# Altium PCB PCB1.PcbDoc (part 1 of 2) (continued)
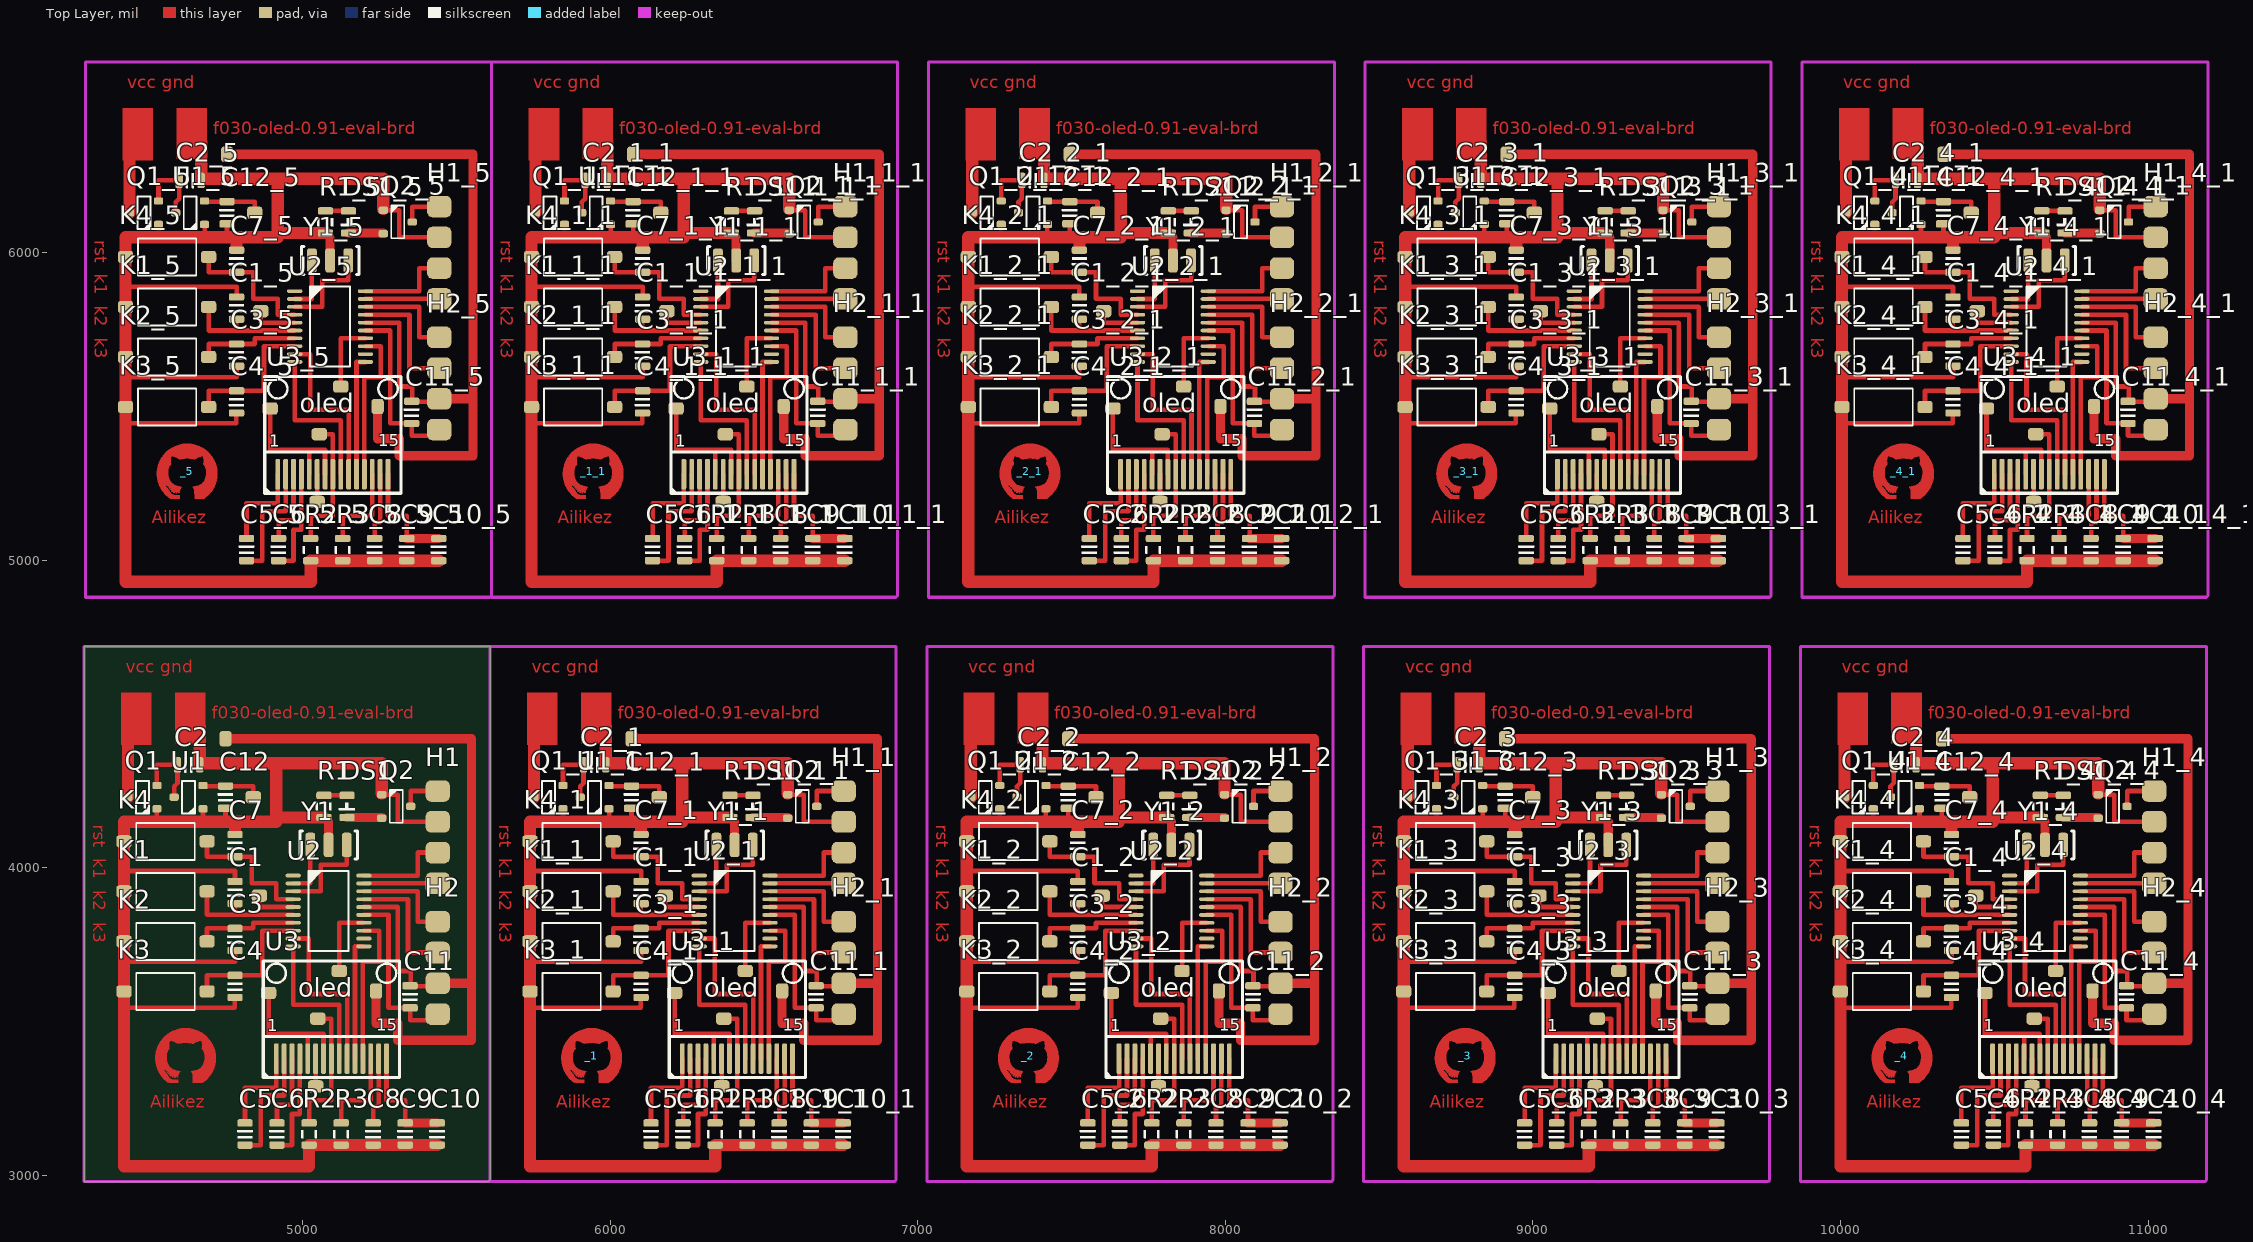
[diagram p0: Top Layer view]
## Components (designator, comment, footprint, x,y, rotation, side; value= is the part's Value field where it differs from the comment) (continued)
K2_4_1 "HDR2x10_2.54" ButtonTACT_3x6x2.5_180 10140,5661.14 r180 top value=3x6 (schematic designator K2)
K2_5 "HDR2x10_2.54" ButtonTACT_3x6x2.5_180 4560,5661.14 r180 top value=3x6 (schematic designator K2)
K3 "HDR2x10_2.54" ButtonTACT_3x6x2.5_180 4555,3598.57 r180 top value=3x6
K3_1 "HDR2x10_2.54" ButtonTACT_3x6x2.5_180 5875,3598.57 r180 top value=3x6 (schematic designator K3)
K3_1_1 "HDR2x10_2.54" ButtonTACT_3x6x2.5_180 5880,5498.57 r180 top value=3x6 (schematic designator K3)
K3_2 "HDR2x10_2.54" ButtonTACT_3x6x2.5_180 7295,3598.57 r180 top value=3x6 (schematic designator K3)
K3_2_1 "HDR2x10_2.54" ButtonTACT_3x6x2.5_180 7300,5498.57 r180 top value=3x6 (schematic designator K3)
K3_3 "HDR2x10_2.54" ButtonTACT_3x6x2.5_180 8715,3598.57 r180 top value=3x6 (schematic designator K3)
K3_3_1 "HDR2x10_2.54" ButtonTACT_3x6x2.5_180 8720,5498.57 r180 top value=3x6 (schematic designator K3)
K3_4 "HDR2x10_2.54" ButtonTACT_3x6x2.5_180 10135,3598.57 r180 top value=3x6 (schematic designator K3)
K3_4_1 "HDR2x10_2.54" ButtonTACT_3x6x2.5_180 10140,5498.57 r180 top value=3x6 (schematic designator K3)
K3_5 "HDR2x10_2.54" ButtonTACT_3x6x2.5_180 4560,5498.57 r180 top value=3x6 (schematic designator K3)
K4 "HDR2x10_2.54" ButtonTACT_3x6x2.5_180 4555,4086.29 r180 top value=3x6
K4_1 "HDR2x10_2.54" ButtonTACT_3x6x2.5_180 5875,4086.29 r180 top value=3x6 (schematic designator K4)
K4_1_1 "HDR2x10_2.54" ButtonTACT_3x6x2.5_180 5880,5986.29 r180 top value=3x6 (schematic designator K4)
K4_2 "HDR2x10_2.54" ButtonTACT_3x6x2.5_180 7295,4086.29 r180 top value=3x6 (schematic designator K4)
K4_2_1 "HDR2x10_2.54" ButtonTACT_3x6x2.5_180 7300,5986.29 r180 top value=3x6 (schematic designator K4)
K4_3 "HDR2x10_2.54" ButtonTACT_3x6x2.5_180 8715,4086.29 r180 top value=3x6 (schematic designator K4)
K4_3_1 "HDR2x10_2.54" ButtonTACT_3x6x2.5_180 8720,5986.29 r180 top value=3x6 (schematic designator K4)
K4_4 "HDR2x10_2.54" ButtonTACT_3x6x2.5_180 10135,4086.29 r180 top value=3x6 (schematic designator K4)
K4_4_1 "HDR2x10_2.54" ButtonTACT_3x6x2.5_180 10140,5986.29 r180 top value=3x6 (schematic designator K4)
K4_5 "HDR2x10_2.54" ButtonTACT_3x6x2.5_180 4560,5986.29 r180 top value=3x6 (schematic designator K4)
Q1 "HDR2x10_2.54" SOT23-3 4480,4230 r180 top value=PMOS
Q1_1 "HDR2x10_2.54" SOT23-3 5800,4230 r180 top value=PMOS (schematic designator Q1)
Q1_1_1 "HDR2x10_2.54" SOT23-3 5805,6130 r180 top value=PMOS (schematic designator Q1)
Q1_2 "HDR2x10_2.54" SOT23-3 7220,4230 r180 top value=PMOS (schematic designator Q1)
Q1_2_1 "HDR2x10_2.54" SOT23-3 7225,6130 r180 top value=PMOS (schematic designator Q1)
Q1_3 "HDR2x10_2.54" SOT23-3 8640,4230 r180 top value=PMOS (schematic designator Q1)
Q1_3_1 "HDR2x10_2.54" SOT23-3 8645,6130 r180 top value=PMOS (schematic designator Q1)
Q1_4 "HDR2x10_2.54" SOT23-3 10060,4230 r180 top value=PMOS (schematic designator Q1)
Q1_4_1 "HDR2x10_2.54" SOT23-3 10065,6130 r180 top value=PMOS (schematic designator Q1)
Q1_5 "HDR2x10_2.54" SOT23-3 4485,6130 r180 top value=PMOS (schematic designator Q1)
Q2 "HDR2x10_2.54" SOT23-3 5305,4200 r0 top value=PMOS
Q2_1 "HDR2x10_2.54" SOT23-3 6625,4200 r0 top value=PMOS (schematic designator Q2)
Q2_1_1 "HDR2x10_2.54" SOT23-3 6630,6100 r0 top value=PMOS (schematic designator Q2)
Q2_2 "HDR2x10_2.54" SOT23-3 8045,4200 r0 top value=PMOS (schematic designator Q2)
Q2_2_1 "HDR2x10_2.54" SOT23-3 8050,6100 r0 top value=PMOS (schematic designator Q2)
Q2_3 "HDR2x10_2.54" SOT23-3 9465,4200 r0 top value=PMOS (schematic designator Q2)
Q2_3_1 "HDR2x10_2.54" SOT23-3 9470,6100 r0 top value=PMOS (schematic designator Q2)
Q2_4 "HDR2x10_2.54" SOT23-3 10885,4200 r0 top value=PMOS (schematic designator Q2)
Q2_4_1 "HDR2x10_2.54" SOT23-3 10890,6100 r0 top value=PMOS (schematic designator Q2)
Q2_5 "HDR2x10_2.54" SOT23-3 5310,6100 r0 top value=PMOS (schematic designator Q2)
R1 "HDR2x10_2.54" RES_0805 5070,4200 r90 top value=2K
R1_1 "HDR2x10_2.54" RES_0805 6390,4200 r90 top value=2K (schematic designator R1)
R1_1_1 "HDR2x10_2.54" RES_0805 6395,6100 r90 top value=2K (schematic designator R1)
R1_2 "HDR2x10_2.54" RES_0805 7810,4200 r90 top value=2K (schematic designator R1)
R1_2_1 "HDR2x10_2.54" RES_0805 7815,6100 r90 top value=2K (schematic designator R1)
R1_3 "HDR2x10_2.54" RES_0805 9230,4200 r90 top value=2K (schematic designator R1)
R1_3_1 "HDR2x10_2.54" RES_0805 9235,6100 r90 top value=2K (schematic designator R1)
R1_4 "HDR2x10_2.54" RES_0805 10650,4200 r90 top value=2K (schematic designator R1)
R1_4_1 "HDR2x10_2.54" RES_0805 10655,6100 r90 top value=2K (schematic designator R1)
R1_5 "HDR2x10_2.54" RES_0805 5075,6100 r90 top value=2K (schematic designator R1)
R2 "HDR2x10_2.54" RES_0805 5021.67,3135 r270 top value=0R
R2_1 "HDR2x10_2.54" RES_0805 6341.67,3135 r270 top value=0R (schematic designator R2)
R2_1_1 "HDR2x10_2.54" RES_0805 6346.67,5035 r270 top value=0R (schematic designator R2)
R2_2 "HDR2x10_2.54" RES_0805 7761.67,3135 r270 top value=0R (schematic designator R2)
R2_2_1 "HDR2x10_2.54" RES_0805 7766.67,5035 r270 top value=0R (schematic designator R2)
R2_3 "HDR2x10_2.54" RES_0805 9181.67,3135 r270 top value=0R (schematic designator R2)
R2_3_1 "HDR2x10_2.54" RES_0805 9186.67,5035 r270 top value=0R (schematic designator R2)
R2_4 "HDR2x10_2.54" RES_0805 10601.67,3135 r270 top value=0R (schematic designator R2)
R2_4_1 "HDR2x10_2.54" RES_0805 10606.67,5035 r270 top value=0R (schematic designator R2)
R2_5 "HDR2x10_2.54" RES_0805 5026.67,5035 r270 top value=0R (schematic designator R2)
R3 "HDR2x10_2.54" RES_0805 5125.83,3135 r270 top value=2M
R3_1 "HDR2x10_2.54" RES_0805 6445.83,3135 r270 top value=2M (schematic designator R3)
R3_1_1 "HDR2x10_2.54" RES_0805 6450.83,5035 r270 top value=2M (schematic designator R3)
R3_2 "HDR2x10_2.54" RES_0805 7865.83,3135 r270 top value=2M (schematic designator R3)
R3_2_1 "HDR2x10_2.54" RES_0805 7870.83,5035 r270 top value=2M (schematic designator R3)
R3_3 "HDR2x10_2.54" RES_0805 9285.83,3135 r270 top value=2M (schematic designator R3)
R3_3_1 "HDR2x10_2.54" RES_0805 9290.83,5035 r270 top value=2M (schematic designator R3)
R3_4 "HDR2x10_2.54" RES_0805 10705.83,3135 r270 top value=2M (schematic designator R3)
R3_4_1 "HDR2x10_2.54" RES_0805 10710.83,5035 r270 top value=2M (schematic designator R3)
R3_5 "HDR2x10_2.54" RES_0805 5130.83,5035 r270 top value=2M (schematic designator R3)
U1 "HDR2x10_2.54" SOT23-3 4630,4230 r180 top
U1_1 "HDR2x10_2.54" SOT23-3 5950,4230 r180 top (schematic designator U1)
U1_1_1 "HDR2x10_2.54" SOT23-3 5955,6130 r180 top (schematic designator U1)
U1_2 "HDR2x10_2.54" SOT23-3 7370,4230 r180 top (schematic designator U1)
U1_2_1 "HDR2x10_2.54" SOT23-3 7375,6130 r180 top (schematic designator U1)
U1_3 "HDR2x10_2.54" SOT23-3 8790,4230 r180 top (schematic designator U1)
U1_3_1 "HDR2x10_2.54" SOT23-3 8795,6130 r180 top (schematic designator U1)
U1_4 "HDR2x10_2.54" SOT23-3 10210,4230 r180 top (schematic designator U1)
U1_4_1 "HDR2x10_2.54" SOT23-3 10215,6130 r180 top (schematic designator U1)
U1_5 "HDR2x10_2.54" SOT23-3 4635,6130 r180 top (schematic designator U1)
U2 "HDR2x10_2.54" TSSOP_E170_P0.65_20 5085,3860 r0 top
U2_1 "HDR2x10_2.54" TSSOP_E170_P0.65_20 6405,3860 r0 top (schematic designator U2)
U2_1_1 "HDR2x10_2.54" TSSOP_E170_P0.65_20 6410,5760 r0 top (schematic designator U2)
U2_2 "HDR2x10_2.54" TSSOP_E170_P0.65_20 7825,3860 r0 top (schematic designator U2)
U2_2_1 "HDR2x10_2.54" TSSOP_E170_P0.65_20 7830,5760 r0 top (schematic designator U2)
U2_3 "HDR2x10_2.54" TSSOP_E170_P0.65_20 9245,3860 r0 top (schematic designator U2)
U2_3_1 "HDR2x10_2.54" TSSOP_E170_P0.65_20 9250,5760 r0 top (schematic designator U2)
U2_4 "HDR2x10_2.54" TSSOP_E170_P0.65_20 10665,3860 r0 top (schematic designator U2)
U2_4_1 "HDR2x10_2.54" TSSOP_E170_P0.65_20 10670,5760 r0 top (schematic designator U2)
U2_5 "HDR2x10_2.54" TSSOP_E170_P0.65_20 5090,5760 r0 top (schematic designator U2)
U3 "HDR2x10_2.54" OLED_0.91_128X64_SSD1306 4915,3380 r0 top
U3_1 "HDR2x10_2.54" OLED_0.91_128X64_SSD1306 6235,3380 r0 top (schematic designator U3)
U3_1_1 "HDR2x10_2.54" OLED_0.91_128X64_SSD1306 6240,5280 r0 top (schematic designator U3)
U3_2 "HDR2x10_2.54" OLED_0.91_128X64_SSD1306 7655,3380 r0 top (schematic designator U3)
U3_2_1 "HDR2x10_2.54" OLED_0.91_128X64_SSD1306 7660,5280 r0 top (schematic designator U3)
U3_3 "HDR2x10_2.54" OLED_0.91_128X64_SSD1306 9075,3380 r0 top (schematic designator U3)
U3_3_1 "HDR2x10_2.54" OLED_0.91_128X64_SSD1306 9080,5280 r0 top (schematic designator U3)
U3_4 "HDR2x10_2.54" OLED_0.91_128X64_SSD1306 10495,3380 r0 top (schematic designator U3)
U3_4_1 "HDR2x10_2.54" OLED_0.91_128X64_SSD1306 10500,5280 r0 top (schematic designator U3)
U3_5 "HDR2x10_2.54" OLED_0.91_128X64_SSD1306 4920,5280 r0 top (schematic designator U3)
Y1 "HDR2x10_2.54" XTAL_3P_CSTCE_8M_3.2*1.3 5025.94,4075 r90 top
Y1_1 "HDR2x10_2.54" XTAL_3P_CSTCE_8M_3.2*1.3 6345.94,4075 r90 top (schematic designator Y1)
Y1_1_1 "HDR2x10_2.54" XTAL_3P_CSTCE_8M_3.2*1.3 6350.94,5975 r90 top (schematic designator Y1)
Y1_2 "HDR2x10_2.54" XTAL_3P_CSTCE_8M_3.2*1.3 7765.94,4075 r90 top (schematic designator Y1)
Y1_2_1 "HDR2x10_2.54" XTAL_3P_CSTCE_8M_3.2*1.3 7770.94,5975 r90 top (schematic designator Y1)
Y1_3 "HDR2x10_2.54" XTAL_3P_CSTCE_8M_3.2*1.3 9185.94,4075 r90 top (schematic designator Y1)
Y1_3_1 "HDR2x10_2.54" XTAL_3P_CSTCE_8M_3.2*1.3 9190.94,5975 r90 top (schematic designator Y1)
Y1_4 "HDR2x10_2.54" XTAL_3P_CSTCE_8M_3.2*1.3 10605.94,4075 r90 top (schematic designator Y1)
Y1_4_1 "HDR2x10_2.54" XTAL_3P_CSTCE_8M_3.2*1.3 10610.94,5975 r90 top (schematic designator Y1)
Y1_5 "HDR2x10_2.54" XTAL_3P_CSTCE_8M_3.2*1.3 5030.94,5975 r90 top (schematic designator Y1)
? "" IMAGE 4620,3390 r0 top

## Footprints (in the part's own frame and the unit in brackets; to place one, negate y for a bottom-side part, rotate by r counter-clockwise, add the part's x,y. Pads: shape width x height; smd on the part's side, far side on the other; paste and mask are expansions set on the pad)
ButtonTACT_3x6x2.5_180 [mil]
  rrect50% 50x40 smd: 1(-135,0) 2(135,0)
  silkscreen extent -95,-60 95,60, body extent -157,-71 157,71, height 94
CAP_0805 [mil]
  rrect50% 24x50 smd: 1(-36,0) 2(36,0)
  silkscreen extent -12,-24 12,24, body extent -39,-25 39,25, height 39
HDR1x4_2.54_180 [mil]
  rrect50% 78.74x70 smd: 1(0,0) 2(0,-100) 3(0,-200) 4(0,-300)
  body extent -49,-350 49,50, height 323
IMAGE [mil]
  Top Layer region: -79.63,48.56 -79.62,48.57 -78.82,49.59 -75.62,53.69 -75.55,53.78 -74.07,55.51 -72.81,56.98 -72.26,57.6 -71.71,58.23 -70.71,59.32 -69.75,60.31 -68.78,61.26 -68.74,61.3 -67.74,62.22 -66.57,63.26 -65.22,64.42 -64.85,64.74 -63.63,65.77 -61.01,67.87 -59.36,69.19 -57.16,70.77 -54.93,72.36 -53.14,73.5 -50.34,75.27 -48.97,76.05 -45.62,77.92 -44.65,78.4 -40.77,80.31 -40.19,80.56 -35.79,82.43 -35.62,82.49 -30.91,84.2 -30.7,84.28 -26.1,85.67 -25.51,85.85 -21.27,86.88 -20.22,87.14 -16.53,87.83 -14.84,88.15 -14.22,88.23 -12.22,88.49 -11.58,88.55 -9.26,88.75 -8.59,88.78 -6.04,88.92 -5.28,88.94 -2.65,89.01 0.84,89.02 0.84,89.02 1.14,89.01 4.35,88.94 4.79,88.92 7.79,88.78 8.29,88.75 11.09,88.55 11.63,88.49 14.15,88.23 14.72,88.15 16.92,87.83 20.42,87.14 21.73,86.88 25.84,85.85 26.55,85.67 31.1,84.28 31.36,84.2 36.11,82.49 36.26,82.43 40.78,80.56 41.3,80.31 45.35,78.4 46.25,77.92 49.79,76.05 51.08,75.27 54.06,73.5 55.76,72.36 58.15,70.77 60.25,69.19 62.02,67.87 64.51,65.77 65.73,64.74 66.07,64.42 67.3,63.26 68.39,62.22 69.37,61.3 69.4,61.26 70.3,60.31 71.25,59.32 72.29,58.23 72.88,57.6 73.42,56.98 74.68,55.51 76.18,53.78 76.26,53.69 79.46,49.59 80.18,48.57 80.19,48.56
  Top Layer region: -48.3,48.3 -50.57,48.56 80.19,48.56 80.37,48.3
  Top Layer region: -29.56,41.33 -29.69,41.4 -31.32,42.32 -32.54,42.96 -33.32,43.37 -35.27,44.33 -35.38,44.38 -37.16,45.19 -38.23,45.64 -38.98,45.95 -40.72,46.6 -40.99,46.69 -42.39,47.15 -43.68,47.51 -43.97,47.59 -45.45,47.92 -46.37,48.06 -46.84,48.13 -48.3,48.3 49.13,48.3 47.72,48.13 47.12,48.06 46.5,47.92 45.05,47.59 44.7,47.51 43.51,47.15 41.99,46.69 41.74,46.6 39.94,45.95 39.08,45.64 38.02,45.19 36.09,44.38 35.99,44.33 33.98,43.37 33.12,42.96 31.94,42.32 30.27,41.4 30.15,41.33
  Top Layer region: 24.51,38.54 23.77,38.55 23.06,38.62 22.95,38.63 22.09,38.78 22,38.79 20.97,39.02 20.92,39.03 19.66,39.34 19.66,39.34 19.01,39.49 18.19,39.66 17.63,39.75 17.22,39.83 16.12,40 14.92,40.18 13.64,40.36 12.31,40.53 10.94,40.69 9.58,40.83 8.23,40.97 5.57,41.17 2.9,41.29 0.2,41.33 30.15,41.33 30.09,41.29 29.9,41.17 29.58,40.97 29.37,40.83 29.13,40.69 28.88,40.53 28.61,40.36 28.33,40.18 28.05,40 27.77,39.83 27.65,39.75 27.5,39.66 27.24,39.49 27.01,39.34 27.01,39.34 26.42,39.03 26.4,39.02 25.83,38.79 25.8,38.78 25.22,38.63 25.17,38.62 24.54,38.55 24.51,38.54
  Top Layer region: -24.25,38.27 -26.02,39.29 -26.95,39.83 -27.74,40.28 -28.39,40.66 -28.89,40.95 -29.25,41.16 -29.27,41.17 -29.48,41.28 -29.56,41.33 0.2,41.33 -2.52,41.28 -5.03,41.17 -5.26,41.16 -8.02,40.95 -10.8,40.66 -13.59,40.28 -16.4,39.83 -19.23,39.29 -24.25,38.27
  Top Layer region: -90.27,-46.67 -90.49,-46.11 -91.43,-43.76 -92.25,-41.68 -92.48,-41.01 -93.29,-38.57 -93.5,-37.87 -94.25,-35.3 -94.51,-34.33 -95.13,-31.91 -95.48,-30.37 -95.92,-28.44 -96.4,-25.98 -96.61,-24.93 -97.18,-21.44 -97.22,-21.16 -97.65,-18 -97.86,-15.89 -97.99,-14.66 -98.2,-11.46 -98.22,-10.18 -98.26,-8.44 -98.18,-6.35 -98.04,-2.75 -98,-1.78 -97.73,0.63 -97.37,3.82 -97.25,4.92 -96.9,6.82 -96.38,9.65 -96.02,11.59 -95.83,12.34 -95.18,14.88 -94.56,17.3 -94.33,18.2 -93.87,19.62 -93.63,20.35 -93.43,20.96 -93.26,21.48 -93.1,21.95 -92.96,22.4 -92.8,22.86 -92.63,23.38 -92.44,23.98 -92.2,24.69 -92.2,24.7 -91.85,25.56 -91.63,26.11 -91.4,26.69 -91.15,27.3 -90.9,27.92 -90.65,28.53 -90.41,29.14 -90.18,29.71 -89.96,30.25 -89.76,30.74 -89.65,31.03 -89.58,31.17 -89.09,32.18 -88.48,33.44 -87.77,34.91 -87,36.51 -86.69,37.15 -86.09,38.2 -85.11,39.91 -84.15,41.59 -83.34,43.02 -83.23,43.18 -82.27,44.62 -81.44,45.86 -79.63,48.56 -50.57,48.56 -51.57,45.86 -51.98,44.62 -52.36,43.18 -52.39,43.02 -52.7,41.59 -53.01,39.91 -53.27,38.2 -53.4,37.15 -53.48,36.51 -53.62,34.91 -53.69,33.44 -53.68,32.18 -53.58,31.17 -53.56,31.03 -53.51,30.74 -53.42,30.25 -53.32,29.71 -53.22,29.14 -53.11,28.53 -52.99,27.92 -52.87,27.3 -52.75,26.69 -52.63,26.11 -52.52,25.56 -52.35,24.7 -52.34,24.69 -52.22,23.98 -52.15,23.38 -52.15,22.86 -52.23,22.4 -52.39,21.95 -52.64,21.48 -53,20.96 -53.47,20.35 -54.05,19.62 -55.11,18.2 -55.78,17.3 -57.27,14.88 -58.53,12.34 -58.82,11.59 -59.58,9.65 -60.4,6.82 -60.78,4.92 -61.01,3.82 -61.4,0.63 -61.54,-1.78 -61.59,-2.75 -61.57,-6.35 -61.45,-8.44 -61.35,-10.18 -61.2,-11.46 -60.8,-14.66 -60.64,-15.89 -60.17,-18 -59.47,-21.16 -59.37,-21.44 -58.17,-24.93 -57.81,-25.98 -56.62,-28.44 -55.68,-30.37 -54.66,-31.91 -53.06,-34.33 -52.2,-35.3 -49.94,-37.87 -49.13,-38.57 -46.31,-41.01 -45.31,-41.68 -42.18,-43.76 -37.53,-46.11 -36.05,-46.67
  Top Layer region: -61.71,-51.19 -61.78,-51.18 -62.1,-51.12 -62.19,-51.08 -62.46,-50.97 -62.56,-50.9 -62.78,-50.74 -62.87,-50.63 -63.03,-50.44 -63.09,-50.27 -63.15,-50.12 -63.17,-50.06 -63.18,-49.97 -63.2,-49.82 -63.2,-49.82 -63.21,-49.68 -63.21,-49.61 -63.2,-49.55 -63.19,-49.44 -63.18,-49.43 -63.14,-49.33 -63.13,-49.31 -63.07,-49.24 -63.03,-49.2 -62.98,-49.17 -62.9,-49.13 -62.88,-49.13 -62.72,-49.09 -62.71,-49.09 -62.51,-49.08 -62.51,-49.08 -62.24,-49.09 -62.23,-49.09 -61.92,-49.13 -61.9,-49.13 -61.69,-49.17 -61.59,-49.2 -61.46,-49.24 -61.31,-49.31 -61.25,-49.33 -61.06,-49.43 -61.05,-49.44 -60.89,-49.55 -60.82,-49.61 -60.75,-49.68 -60.63,-49.82 -60.63,-49.82 -60.54,-49.97 -60.5,-50.06 -60.48,-50.12 -60.46,-50.27 -60.49,-50.44 -60.53,-50.63 -60.61,-50.74 -60.72,-50.9 -60.82,-50.97 -61,-51.08 -61.13,-51.12 -61.34,-51.18 -61.71,-51.19
  Top Layer region: -57.24,-55.9 -57.62,-55.85 -57.62,-55.85 -57.98,-55.71 -57.98,-55.71 -58.32,-55.5 -58.33,-55.5 -58.63,-55.23 -58.64,-55.22 -58.9,-54.91 -58.91,-54.9 -59.12,-54.56 -59.13,-54.55 -59.28,-54.19 -59.29,-54.17 -59.37,-53.81 -59.37,-53.79 -59.38,-53.44 -59.38,-53.42 -59.3,-53.09 -59.29,-53.08 -59.14,-52.77 -59.12,-52.75 -58.92,-52.51 -58.9,-52.5 -58.66,-52.33 -58.64,-52.32 -58.37,-52.22 -58.34,-52.22 -58.05,-52.18 -58.05,-52.18 -57.72,-52.22 -57.71,-52.22 -57.38,-52.32 -57.37,-52.33 -57.05,-52.5 -57.03,-52.51 -56.72,-52.75 -56.7,-52.77 -56.41,-53.08 -56.4,-53.09 -56.17,-53.42 -56.17,-53.44 -56.02,-53.79 -56.02,-53.81 -55.95,-54.17 -55.95,-54.19 -55.95,-54.55 -55.95,-54.56 -56.01,-54.9 -56.02,-54.91 -56.15,-55.22 -56.15,-55.23 -56.34,-55.5 -56.35,-55.5 -56.59,-55.71 -56.6,-55.71 -56.89,-55.85 -56.9,-55.85 -57.24,-55.9
  Top Layer region: -53.42,-61.32 -53.46,-61.32 -53.76,-61.27 -53.81,-61.25 -54.13,-61.15 -54.17,-61.13 -54.46,-60.98 -54.48,-60.96 -54.75,-60.73 -54.75,-60.73 -54.99,-60.45 -55.02,-60.41 -55.21,-60.11 -55.25,-60.05 -55.4,-59.73 -55.43,-59.65 -55.57,-59.24 -55.59,-59.15 -55.64,-58.84 -55.65,-58.61 -55.66,-58.44 -55.61,-58.14 -55.6,-58.09 -55.47,-57.78 -55.44,-57.74 -55.17,-57.44 -55.15,-57.41 -54.81,-57.24 -54.76,-57.21 -54.32,-57.16 -54.32,-57.16 -54.01,-57.21 -53.86,-57.24 -53.46,-57.41 -53.4,-57.44 -52.97,-57.74 -52.94,-57.78 -52.65,-58.09 -52.6,-58.14 -52.4,-58.44 -52.3,-58.61 -52.21,-58.84 -52.1,-59.15 -52.09,-59.24 -52.04,-59.65 -52.03,-59.73 -52.05,-60.05 -52.05,-60.11 -52.12,-60.41 -52.12,-60.45 -52.24,-60.73 -52.24,-60.73 -52.4,-60.96 -52.43,-60.98 -52.6,-61.13 -52.64,-61.15 -52.84,-61.25 -52.91,-61.27 -53.12,-61.32 -53.42,-61.32
  Top Layer region: 171 vertices and 0 holes, not listed, extent -67.39,-66.79 -17.66,-46.67
  Top Layer region: -48.34,-66.82 -48.95,-66.73 -48.96,-66.73 -49.56,-66.48 -49.66,-66.4 -49.98,-66.2 -50.13,-66.09 -50.22,-66 -50.41,-65.82 -50.6,-65.64 -50.62,-65.61 -50.74,-65.45 -50.88,-65.25 -51,-65.07 -51.02,-65.02 -51.11,-64.77 -51.22,-64.49 -51.23,-64.48 -51.24,-64.16 -51.26,-63.9 -51.21,-63.76 -51.09,-63.43 -51.05,-63.34 -50.9,-63.16 -50.82,-63.07 -50.64,-62.96 -50.52,-62.89 -50.31,-62.83 -50.16,-62.79 -49.77,-62.77 -49.77,-62.77 -49.63,-62.79 -49.34,-62.83 -49.15,-62.89 -48.91,-62.96 -48.68,-63.07 -48.48,-63.16 -48.22,-63.34 -48.08,-63.43 -47.7,-63.76 -47.59,-63.9 -47.38,-64.16 -47.16,-64.48 -47.15,-64.49 -46.98,-64.77 -46.85,-65.02 -46.84,-65.07 -46.77,-65.25 -46.74,-65.45 -46.75,-65.61 -46.75,-65.64 -46.81,-65.82 -46.92,-66 -46.99,-66.09 -47.07,-66.2 -47.27,-66.4 -47.38,-66.48 -47.76,-66.73 -47.79,-66.73 -48.34,-66.82
  Top Layer region: -41.69,-70.78 -41.77,-70.77 -41.96,-70.75 -42.07,-70.72 -42.25,-70.67 -42.39,-70.62 -42.57,-70.55 -42.76,-70.47 -42.94,-70.39 -43.17,-70.27 -43.41,-70.15 -43.59,-70.03 -43.8,-69.88 -43.95,-69.74 -44.1,-69.6 -44.17,-69.5 -44.32,-69.3 -44.32,-69.29 -44.4,-69.1 -44.45,-68.98 -44.46,-68.92 -44.48,-68.74 -44.49,-68.66 -44.47,-68.54 -44.45,-68.32 -44.44,-68.31 -44.34,-68.04 -44.31,-67.98 -44.16,-67.73 -44.09,-67.62 -43.84,-67.35 -43.78,-67.27 -43.54,-67.04 -43.49,-67 -43.26,-66.82 -43.24,-66.8 -43.01,-66.67 -42.99,-66.66 -42.76,-66.59 -42.75,-66.59 -42.75,-66.59 -42.5,-66.59 -42.27,-66.66 -42.23,-66.67 -41.97,-66.8 -41.93,-66.82 -41.64,-67 -41.58,-67.04 -41.27,-67.27 -41.17,-67.35 -40.82,-67.62 -40.69,-67.73 -40.39,-67.98 -40.31,-68.04 -40.02,-68.31 -40,-68.32 -39.8,-68.54 -39.71,-68.66 -39.65,-68.74 -39.59,-68.92 -39.59,-68.98 -39.59,-69.1 -39.66,-69.29 -39.67,-69.3 -39.81,-69.5 -39.89,-69.6 -40.01,-69.74 -40.15,-69.88 -40.29,-70.03 -40.41,-70.15 -40.54,-70.27 -40.69,-70.39 -40.78,-70.47 -40.9,-70.55 -41,-70.62 -41.12,-70.67 -41.23,-70.72 -41.35,-70.75 -41.45,-70.77 -41.69,-70.78
  Top Layer region: -26.36,-70.79 -26.97,-70.77 -27.23,-70.71 -27.48,-70.66 -27.71,-70.55 -27.92,-70.45 -28.1,-70.31 -28.28,-70.18 -28.42,-70.02 -28.57,-69.85 -28.66,-69.68 -28.77,-69.48 -28.81,-69.3 -28.87,-69.09 -28.87,-68.9 -28.87,-68.7 -28.8,-68.49 -28.76,-68.33 -28.59,-68.08 -28.53,-67.99 -28.3,-67.8 -28.18,-67.7 -27.94,-67.56 -27.79,-67.48 -27.55,-67.39 -27.39,-67.33 -27.14,-67.26 -26.99,-67.22 -26.71,-67.19 -26.59,-67.18 -26.59,-67.18 -26.2,-67.19 -26.03,-67.22 -25.82,-67.26 -25.64,-67.33 -25.46,-67.39 -25.27,-67.48 -25.12,-67.56 -24.94,-67.7 -24.81,-67.8 -24.62,-67.99 -24.53,-68.08 -24.37,-68.33 -24.27,-68.49 -24.21,-68.7 -24.16,-68.9 -24.16,-69.09 -24.17,-69.3 -24.24,-69.48 -24.31,-69.68 -24.43,-69.85 -24.55,-70.02 -24.73,-70.18 -24.89,-70.31 -25.14,-70.45 -25.31,-70.55 -25.63,-70.66 -25.81,-70.71 -26.22,-70.77 -26.36,-70.79
  Top Layer region: -34.52,-71.89 -34.98,-71.87 -35.23,-71.81 -35.42,-71.76 -35.58,-71.68 -35.61,-71.66 -35.73,-71.57 -35.86,-71.43 -35.87,-71.42 -36,-71.25 -36.06,-71.15 -36.11,-71.06 -36.21,-70.84 -36.22,-70.82 -36.29,-70.62 -36.34,-70.45 -36.35,-70.38 -36.39,-70.14 -36.4,-70.05 -36.4,-69.89 -36.4,-69.62 -36.39,-69.53 -36.37,-69.35 -36.36,-69.24 -36.32,-69.12 -36.29,-69 -36.25,-68.92 -36.18,-68.81 -36.13,-68.76 -36.02,-68.66 -35.98,-68.64 -35.8,-68.55 -35.78,-68.54 -35.52,-68.47 -35.52,-68.47 -35.18,-68.43 -35.17,-68.43 -34.75,-68.4 -34.74,-68.4 -34.22,-68.39 -34.22,-68.39 -33.78,-68.4 -33.73,-68.4 -33.34,-68.43 -33.31,-68.43 -32.97,-68.47 -32.97,-68.47 -32.69,-68.54 -32.67,-68.55 -32.46,-68.64 -32.44,-68.66 -32.29,-68.76 -32.26,-68.81 -32.17,-68.92 -32.14,-69 -32.09,-69.12 -32.06,-69.24 -32.04,-69.35 -32.03,-69.53 -32.03,-69.62 -32.06,-69.89 -32.09,-70.05 -32.12,-70.14 -32.22,-70.38 -32.25,-70.45 -32.36,-70.62 -32.49,-70.82 -32.52,-70.84 -32.72,-71.06 -32.81,-71.15 -32.95,-71.25 -33.18,-71.42 -33.19,-71.43 -33.44,-71.57 -33.62,-71.66 -33.69,-71.68 -33.92,-71.76 -34.06,-71.81 -34.44,-71.87 -34.52,-71.89
  Top Layer region: -68.64,-78.08 -68.64,-78.08 -68.66,-78.06 -68.7,-78.02 -68.77,-77.95 -68.88,-77.84 -69.03,-77.68 -69.24,-77.47 -69.51,-77.2 -69.85,-76.85 -70.27,-76.42 -70.99,-75.69 -71.24,-75.44 -71.73,-74.88 -72.52,-73.98 -73.4,-72.98 -74.37,-71.87 -75.03,-71.11 -75.4,-70.64 -76.47,-69.28 -77.65,-67.77 -78.63,-66.53 -78.92,-66.12 -80.19,-64.3 -81.29,-62.74 -81.99,-61.74 -82.29,-61.27 -83.16,-59.87 -84.01,-58.52 -84.83,-57.2 -85.08,-56.81 -85.58,-55.89 -86.3,-54.59 -87.03,-53.25 -87.79,-51.88 -87.84,-51.78 -88.48,-50.44 -88.74,-49.9 -88.95,-49.46 -89.12,-49.1 -89.26,-48.81 -89.37,-48.56 -89.48,-48.34 -89.58,-48.13 -89.68,-47.92 -89.79,-47.69 -89.91,-47.42 -90.13,-46.96 -90.25,-46.72 -90.25,-46.72 -90.27,-46.67 -67.39,-46.67 -68.6,-46.72 -68.6,-46.72 -69.63,-46.96 -70.46,-47.42 -70.79,-47.69 -71.04,-47.92 -71.19,-48.13 -71.26,-48.34 -71.22,-48.56 -71.07,-48.81 -70.8,-49.1 -70.41,-49.46 -69.89,-49.9 -69.24,-50.44 -67.64,-51.78 -67.52,-51.88 -65.97,-53.25 -64.57,-54.59 -63.3,-55.89 -62.5,-56.81 -62.16,-57.2 -61.11,-58.52 -60.16,-59.87 -59.27,-61.27 -59.01,-61.74 -58.45,-62.74 -57.66,-64.3 -56.75,-66.12 -56.52,-66.53 -55.82,-67.77 -54.86,-69.28 -53.85,-70.64 -53.45,-71.11 -52.81,-71.87 -51.7,-72.98 -50.52,-73.98 -49.27,-74.88 -48.35,-75.44 -47.93,-75.69 -46.5,-76.42 -45.56,-76.85 -44.72,-77.2 -43.91,-77.47 -43.05,-77.68 -42.09,-77.84 -40.96,-77.95 -39.6,-78.02 -37.93,-78.06 -35.9,-78.08 -33.43,-78.08
  Top Layer region: 221 vertices and 0 holes, not listed, extent 18.06,-89.02 98.26,48.3
  Top Layer region: -55.3,-89.02 -59.13,-86.27 -62.64,-83.55 -63.25,-83.07 -67.3,-79.44 -68.64,-78.08 -23.9,-78.08 -23.9,-79.44 -23.9,-83.07 -23.9,-83.55 -23.9,-86.27 -23.9,-89.02
LED_0805_RED [mil]
  rrect50% 24x50 smd: 1(-36,0) 2(36,0)
  silkscreen extent -12,-24 12,24, body extent -40,-25 40,25, height 43
OLED_0.91_128X64_SSD1306 [mm]
  rrect50% 0.4x2.5 smd: 1(0,0) 2(0.65,0) 2(0.65,0) 3(1.3,0) 4(1.95,0) 5(2.6,0) 6(3.25,0) 7(3.9,0) 8(4.55,0) 9(5.2,0) 10(5.85,0) 11(6.5,0) 12(7.15,0) 13(7.8,0) 14(8.45,0) 15(9.1,0)
  silkscreen extent -1.07,-1.65 10.18,8.05
RES_0805 [mil]
  rrect50% 24x50 smd: 1(-36,0) 2(36,0)
  silkscreen extent -12,-24 12,24, body extent -39,-25 39,25, height 24
SOT23-3 [mil]
  rrect50% 30x24 smd: 1(-47,38) 2(-47,-38) 3(47,0)
  silkscreen extent -21,-53 21,53, body extent -55,-57 55,57, height 51
TSSOP_E170_P0.65_20 [mil]
  oval 50x12 smd: 1(-115,115.16) 2(-115,89.57) 3(-115,63.98) 4(-115,38.39) 5(-115,12.8) 6(-115,-12.8) 7(-115,-38.39) 8(-115,-63.98) 9(-115,-89.57) 10(-115,-115.16) 11(115,-115.16) 12(115,-89.57) 13(115,-63.98) 14(115,-38.39) 15(115,-12.8) 16(115,12.8) 17(115,38.39) 18(115,63.98) 19(115,89.57) 20(115,115.16)
  silkscreen extent -65,-130 65,130, body extent -126,-130 126,130, height 42
XTAL_3P_CSTCE_8M_3.2*1.3 [mm]
  rrect50% 2x0.8 smd: 1(0,0) 2(0,-1.5) 3(0,-3)
  silkscreen extent -1.17,-3.89 1.14,0.86, body extent -1,-3.75 1,0.75, height 1.15

## Part data
C1 C1_1 C1_1_1 C1_2 C1_2_1 C1_3 C1_3_1 C1_4 C1_4_1 C1_5 C2 C2_1 C2_1_1 C2_2 C2_2_1 C2_3 C2_3_1 C2_4 C2_4_1 C2_5 C3 C3_1 C3_1_1 C3_2 C3_2_1 C3_3 C3_3_1 C3_4 C3_4_1 C3_5 C4 C4_1 C4_1_1 C4_2 C4_2_1 C4_3 C4_3_1 C4_4 C4_4_1 C4_5 C5 C5_1 C5_1_1 C5_2 C5_2_1 C5_3 C5_3_1 C5_4 C5_4_1 C5_5 C6 C6_1 C6_1_1 C6_2 C6_2_1 C6_3 C6_3_1 C6_4 C6_4_1 C6_5 C7 C7_1 C7_1_1 C7_2 C7_2_1 C7_3 C7_3_1 C7_4 C7_4_1 C7_5 C8 C8_1 C8_1_1 C8_2 C8_2_1 C8_3 C8_3_1 C8_4 C8_4_1 C8_5 C9 C9_1 C9_1_1 C9_2 C9_2_1 C9_3 C9_3_1 C9_4 C9_4_1 C9_5 C10 C10_1 C10_1_1 C10_2 C10_2_1 C10_3 C10_3_1 C10_4 C10_4_1 C10_5 C11 C11_1 C11_1_1 C11_2 C11_2_1 C11_3 C11_3_1 C11_4 C11_4_1 C11_5 C12 C12_1 C12_1_1 C12_2 C12_2_1 C12_3 C12_3_1 C12_4 C12_4_1 C12_5: library part Cap_0805, "Capacitor", Specification="X7R 50V", Type=0805
DS1 DS1_1 DS1_1_1 DS1_2 DS1_2_1 DS1_3 DS1_3_1 DS1_4 DS1_4_1 DS1_5: library part LED_0805, "LED", Type=0805
H1 H1_1 H1_1_1 H1_2 H1_2_1 H1_3 H1_3_1 H1_4 H1_4_1 H1_5 H2 H2_1 H2_1_1 H2_2 H2_2_1 H2_3 H2_3_1 H2_4 H2_4_1 H2_5: library part HDR1x4_2.54, "Header"
K1 K1_1 K1_1_1 K1_2 K1_2_1 K1_3 K1_3_1 K1_4 K1_4_1 K1_5 K2 K2_1 K2_1_1 K2_2 K2_2_1 K2_3 K2_3_1 K2_4 K2_4_1 K2_5 K3 K3_1 K3_1_1 K3_2 K3_2_1 K3_3 K3_3_1 K3_4 K3_4_1 K3_5 K4 K4_1 K4_1_1 K4_2 K4_2_1 K4_3 K4_3_1 K4_4 K4_4_1 K4_5: library part ButtonTACT_3x6x2.5_180, "Button", Type="TACT 2P"
Q1 Q1_1 Q1_1_1 Q1_2 Q1_2_1 Q1_3 Q1_3_1 Q1_4 Q1_4_1 Q1_5 Q2 Q2_1 Q2_1_1 Q2_2 Q2_2_1 Q2_3 Q2_3_1 Q2_4 Q2_4_1 Q2_5: library part MOSFET_P_SOT23, "MOSFET"
R1 R1_1 R1_1_1 R1_2 R1_2_1 R1_3 R1_3_1 R1_4 R1_4_1 R1_5 R2 R2_1 R2_1_1 R2_2 R2_2_1 R2_3 R2_3_1 R2_4 R2_4_1 R2_5 R3 R3_1 R3_1_1 R3_2 R3_2_1 R3_3 R3_3_1 R3_4 R3_4_1 R3_5: library part Res_0805, "Resistor", Specification=±5%, Type=0805
U1 U1_1 U1_1_1 U1_2 U1_2_1 U1_3 U1_3_1 U1_4 U1_4_1 U1_5: library part XC6206, "Power"
U2 U2_1 U2_1_1 U2_2 U2_2_1 U2_3 U2_3_1 U2_4 U2_4_1 U2_5: library part STM32F03xF, "MCU"
U3 U3_1 U3_1_1 U3_2 U3_2_1 U3_3 U3_3_1 U3_4 U3_4_1 U3_5: library part OLED_0.91_SSD1306, "OLED"
Y1 Y1_1 Y1_1_1 Y1_2 Y1_2_1 Y1_3 Y1_3_1 Y1_4 Y1_4_1 Y1_5: library part XTAL-3PIN, "murata CSTCE 8M 3.2*1.3"

## Free pads (board coordinates)
  rrect50% 40x50 smd: 2(4750,4420) 2(4755,6320) 2(5239.57,3600) 2(5244.57,5500) 2(6070,4420) 2(6075,6320) 2(6559.57,3600) 2(6564.57,5500) 2(7490,4420) 2(7495,6320) 2(7979.57,3600) 2(7984.57,5500) 2(8910,4420) 2(8915,6320) 2(9399.57,3600) 2(9404.57,5500) 2(10330,4420) 2(10335,6320) 2(10819.57,3600) 2(10824.57,5500)
  rrect50% 50x40 smd: 2(4840,4230) 2(4845,6130) 2(4860,3910) 2(4865,5810) 2(4890,3593.57) 2(4895,5493.57) 2(5042.95,3290) 2(5047.95,5190) 2(5050,3510) 2(5055,5410) 2(5119.72,3665) 2(5124.72,5565) 2(6160,4230) 2(6165,6130) 2(6180,3910) 2(6185,5810) 2(6210,3593.57) 2(6215,5493.57) 2(6362.95,3290) 2(6367.95,5190) 2(6370,3510) 2(6375,5410) 2(6439.72,3665) 2(6444.72,5565) 2(7580,4230) 2(7585,6130) 2(7600,3910) 2(7605,5810) 2(7630,3593.57) 2(7635,5493.57) 2(7782.95,3290) 2(7787.95,5190) 2(7790,3510) 2(7795,5410) 2(7859.72,3665) 2(7864.72,5565) 2(9000,4230) 2(9005,6130) 2(9020,3910) 2(9025,5810) 2(9050,3593.57) 2(9055,5493.57) 2(9202.95,3290) 2(9207.95,5190) 2(9210,3510) 2(9215,5410) 2(9279.72,3665) 2(9284.72,5565) 2(10420,4230) 2(10425,6130) 2(10440,3910) 2(10445,5810) 2(10470,3593.57) 2(10475,5493.57) 2(10622.95,3290) 2(10627.95,5190) 2(10630,3510) 2(10635,5410) 2(10699.72,3665) 2(10704.72,5565)